# Altium PCB as14120_all_3.PcbDoc (part 2 of 2)
Units mm, origin at the board's own origin, x right, y up, seen from the top; angles counter-clockwise.
Board outline 130 x 100 mm, 6 copper layers (Top Layer, GND1, Signal_Power, Signal_midle, GND2, Bottom Layer), stack 0.963 mm thick; 376 components, 342 nets, 2187 pads, 668 vias.
Unrouted connection lines stored in the file: 1195.
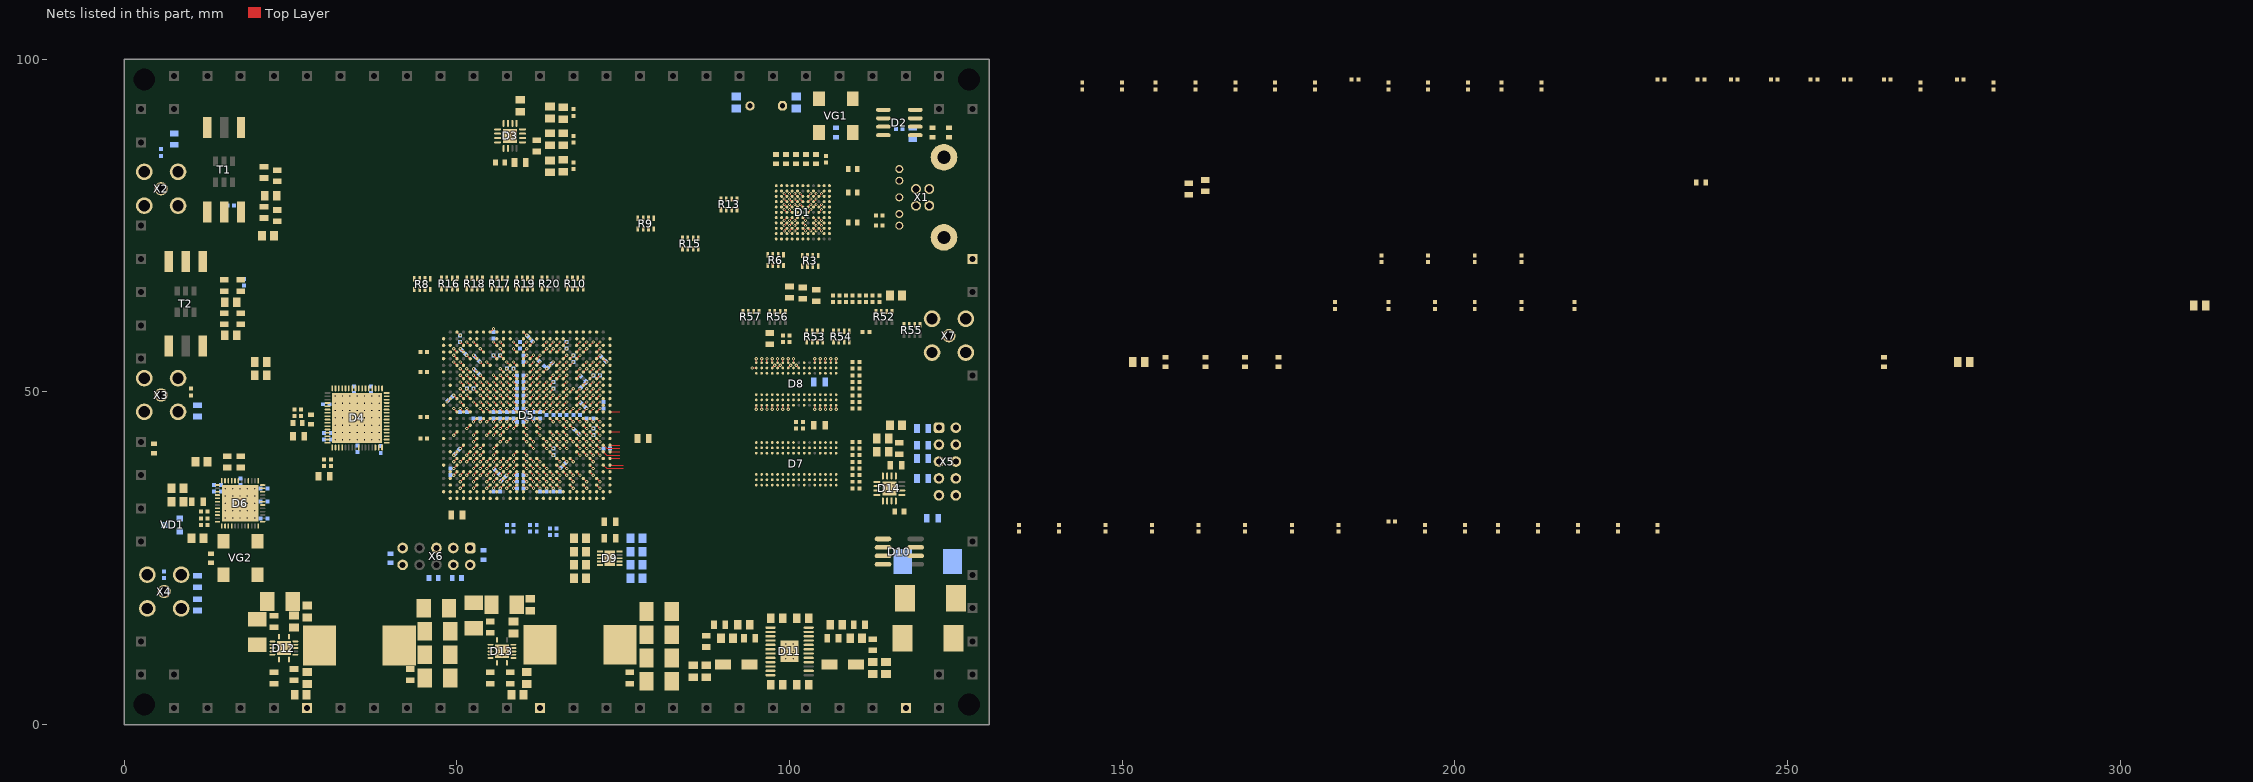
[diagram p4: the nets of this part, all layers, seen from the top]

## Part data
C1 C2 C3 C8 C9 C11 C13 C14 C15 C16 C17 C18 C19 C20 C21 C22 C23 C24 C25 C26 C27 C28 C29 C30 C31 C32 C33 C34 C35 C36 C37 C40 C41 C42 C43 C44 C45 C48 C49 C50 C51 C52 C53 C54 C55 C56 C57 C58 C59 C60 C61 C62 C63 C64 C67 C68 C69 C70 C71 C72 C73 C74 C75 C76 C77 C78 C79 C80 C81 C82 C83 C84 C85 C86 C87 C88 C89 C90 C91 C92 C93 C94 C95 C96 C97 C98 C99 C100 C101 C102 C103 C104 C105 C106 C107 C108 C109 C110 C111 C120 C121 C122 C123 C124 C125 C126 C127 C128 C129 C130 C131 C132 C133 C134 C135 C136 C137 C138 C139 C140 C141 C142 C143 C144 C145 C146 C147 C148 C149 C150 C151 C152 C153 C154 C155 C156 C157 C158 C159 C160 C161 C162 C163 C164 C165 C166 C167 C168 C169 C170 C171 C172 C173 C174 C175 C176 C177 C178 C179 C180 C181 C182 C183 C184 C185 C186 C187 C188 C189 C190 C191 C192 C193 C194 C195 C196 C233 C234: library part CAP_0402, "CAP 1uF 10V ±20% 0402 (1005 Metric) Thickness 0.6mm SMD"
D1: library part CYUSB3014-BZXC
D2: library part AT24C08BN-SP25-T, "8Kbit (1024 x 8), 2-wire Bus Automotive Serial EEPROM with Write Protect, 2.5V, 8-Pin SOIC, Tape & Reel"
D4: "Dual 14-Bit Analog-to-Digital Converter with Parallel Interface, 1.8 V, 125MSPS, -40 to +85 degC, CP-64-6, Pb-Free, Tray"
D5: "Cyclone V E Family FPGA, 1.07 to 1.13 V Supply, 336 I/O Pins, 7 PLLs, 672-Pin FBGA, Speed Grade 8, Commercial Grade, RoHS Compliant"
D6: "12-Output Clock Generator with Integrated 2.5 GHz VCO, 1800 MHz Max f-out, CP-48-8, Pb-Free, 260 Tray"
D7 D8: "4Gb DDR3-1600 SDRAM, 256Mb x 16, 1.25ns, 1.5V, 0 to 95 degC, 96-Ball FBGA, Pb-Free"
D9: "Single Output LDO, 3 A, 2.375 to 3.5 V Input, with DDR Termination, 10-pin SON (DRC), -40 to 85 degC, Green (RoHS & no Sb/Br)"
D11: "Dual 4 MHz, 3 A Synchronous Step-Down DC/DC Converter, 24-pin SOP (FE-24-EPV-AA), -40 to 125 degC, Pb-Free"
D12 D13: "Buck Step Down Regulator with 4.5 to 17 V Input and 0.8 to 15 V Output, -40 to 150 degC, 14-Pin VQFN (RGY), Green (RoHS & no Sb/Br)"
L1 L2 L3 L4 L5 L6 L7 L8 L9 L10 L12 L13: library part Ferrite_beat
L14 L16: "INDUCT"
R1 R12 R14 R28 R29 R31 R32 R33 R35 R36 R38 R39 R40 R41 R42 R44 R45 R47 R48 R49 R50 R51 R58 R59 R60 R61 R62 R63 R64 R65 R66 R67 R68 R69 R70 R71 R81 R82 R83 R84 R85 R86 R87 R88 R89 R90 R91 R92 R93 R94 R95 R96 R98: library part RES_0805, "1K 0.125W 1% 0805 (2012 Metric)  SMD"
R2 R4 R5 R7 R11 R21 R22 R23 R24 R25 R26 R27 R30 R34 R37 R43 R46 R72 R73 R74 R75 R76 R77 R78 R79 R80 R97: library part RES_0603, "1K 0.1W 5% 0603 (1608 Metric)  SMD"
T1 T2: library part TT1-6-KK81
VD1: "SOT23 Silicon Planar High-Speed Switching Series Diode Pair"

## Free pads (board coordinates)
  rect 0.3x0.5 hole 3.3 unplated: 0(3,3) 0(127,3) 0(127,97)
  rect 0x0 hole 3.3 unplated: 0(3,97)
  rect 1.5x1.5 hole 0.9: 3(2.5,7.5) 3(2.5,12.5) 3(2.5,27.5) 3(2.5,32.5) 3(2.5,37.5) 3(2.5,42.5) 3(2.5,55) 3(2.5,60) 3(2.5,65) 3(2.5,70) 3(2.5,75) 3(2.5,87.5) 3(2.5,92.5) 3(7.5,2.5) 3(7.5,7.5) 3(7.5,92.5) 3(7.5,97.5) 3(12.5,2.5) 3(12.5,97.5) 3(17.5,2.5) 3(17.5,97.5) 3(22.5,2.5) 3(22.5,97.5) 3(27.5,97.5) 3(27.5,2.5) 3(32.5,2.5) 3(32.5,97.5) 3(37.5,2.5) 3(37.5,97.5) 3(42.5,2.5) 3(42.5,97.5) 3(47.5,2.5) 3(47.5,97.5) 3(52.5,2.5) 3(52.5,97.5) 3(57.5,2.5) 3(57.5,97.5) 3(62.5,2.5) 3(62.5,97.5) 3(67.5,2.5) 3(67.5,97.5) 3(72.5,2.5) 3(72.5,97.5) 3(77.5,2.5) 3(77.5,97.5) 3(82.5,2.5) 3(82.5,97.5) 3(87.5,2.5) 3(87.5,97.5) 3(92.5,2.5) 3(92.5,97.5) 3(97.5,2.5) 3(97.5,97.5) 3(102.5,2.5) 3(102.5,97.5) 3(107.5,97.5) 3(107.5,2.5) 3(112.5,2.5) 3(112.5,97.5) 3(117.5,2.5) 3(117.5,97.5) 3(122.5,92.5) 3(122.5,2.5) 3(122.5,7.5) 3(122.5,97.5) 3(127.5,92.5) 3(127.5,7.5) 3(127.5,12.5) 3(127.5,17.5) 3(127.5,22.5) 3(127.5,27.5) 3(127.5,52.5) 3(127.5,65) 3(127.5,70)

## Via types
v1: diameter 0.5, hole 0.2, Top Layer to Bottom Layer, 619 vias
v2: diameter 0.45, hole 0.2, Top Layer to Bottom Layer, 49 vias

## Nets (pads, with @x,y where several pads share a name; then routed paths per layer and width w, separated by ;. In a path a pad name is that pad's centre, name@x,y a point inside that pad or via, vN(x,y) a via of type N, cw(c..) or ccw(c..) an arc to the next point about the centre after c; other vN are vias at no path point)
0V: C1.2 C4.1 C5.1 C6.1 C7.1 C8.1 C9.1 C10.1 C11.1 C12.1 C13.1 C14.1 C15.1 C16.1 C17.1 C18.1 C19.1 C20.1 C21.1 C22.1 C23.1 C24.1 C25.1 C26.1 C27.1 C28.1 C29.1 C30.1 C31.1 C32.1 C33.1 C34.1 C35.1 C36.1 C40.2 C55.2 C56.1 C57.1 C58.1 C59.1 C60.1 C61.1 C62.1 C63.1 C64.1 C65.1 C66.1 C68.1 C69.1 C70.1 C71.1 C72.2 C73.2 C74.1 C75.1 C76.1 C77.1 C78.1 C79.1 C80.1 C81.1 C82.1 C83.1 C84.1 C85.1 C86.1 C87.1 C88.1 C89.1 C90.2 C91.1 C92.1 C93.1 C94.1 C95.1 C96.1 C97.1 C98.1 C99.1 C100.1 C101.1 C102.1 C103.1 C104.1 C105.1 C106.1 C107.2 C108.2 C109.2 C110.1 C111.1 C112.1 C113.1 C114.1 C115.1 C116.1 C117.1 C118.1 C119.1 C120.1 C121.1 C122.1 C123.1 C124.1 C125.1 C126.1 C127.1 C128.1 C129.1 C130.1 C131.1 C132.1 C133.1 C134.1 C135.1 C136.1 C137.1 C138.1 C139.1 C140.1 C141.1 C142.1 C143.1 C144.1 C145.1 C146.1 C147.1 C148.1 C149.1 C150.1 C151.1 C152.1 C153.1 C154.1 C155.1 C156.1 C157.1 C158.1 C159.1 C160.1 C161.1 C162.1 C163.1 C164.1 C165.1 C166.1 C167.1 C168.1 C169.1 C170.1 C171.1 C172.1 C173.1 C174.1 C175.1 C176.1 C177.1 C178.1 C179.1 C180.1 C181.1 C182.1 C183.1 C184.1 C185.1 C186.1 C187.1 C188.1 C189.1 C190.1 C191.1 C192.1 C193.1 C194.1 C195.1 C196.1 C197.2 C198.2 C199.2 C200.2 C201.1 C202.1 C203.1 C204.1 C206.2 C207.2 C208.2 C209.2 C210.2 C211.1 C212.1 C213.1 C214.1 C215.1 C216.1 C217.1 C218.1 C219.1 C220.1 C221.2 C222.2 C223.2 C225.1 C226.1 C227.2 C228.2 C229.2 C230.2 C231.1 C232.1 C233.1 C234.1 D1.A1 D1.A8 D1.B7 D1.B8 D1.B9 D1.D8 D1.E2 D1.G1 D1.G11 D1.K3 D1.K4 D1.L1 D1.L2 D1.L3 D1.L6 D1.L11 D2.1 D2.2 D2.3 D2.4 D2.7 D3.6 D3.17 D5.A2 D5.A15 D5.A25 D5.AA1 D5.AA2 D5.AA5 D5.AA15 D5.AA25 D5.AB1 D5.AB2 D5.AB3 D5.AB4 D5.AB8 D5.AB18 D5.AC1 D5.AC2 D5.AC5 D5.AC7 D5.AC11 D5.AC13 D5.AC19 D5.AC21 D5.AC26 D5.AD1 D5.AD2 D5.AD3 D5.AD4 D5.AD14 D5.AD18 D5.AD20 D5.AD22 D5.AD24 D5.AD26 D5.AE1 D5.AE2 D5.AE5 D5.AE7 D5.AE17 D5.AE23 D5.AF2 D5.AF3 D5.AF4 D5.AF10 D5.AF20 D5.AF22 D5.AF24 D5.AF25 D5.B2 D5.B3 D5.B4 D5.B8 D5.B16 D5.B18 D5.C1 D5.C2 D5.C5 D5.C8 D5.C11 D5.C21 D5.D1 D5.D2 D5.D3 D5.D4 D5.D5 D5.D14 D5.D23 D5.D24 D5.E1 D5.E2 D5.E5 D5.E7 D5.E17 D5.F1 D5.F2 D5.F3 D5.F4 D5.F10 D5.F20 D5.F22 D5.G1 D5.G2 D5.G5 D5.G13 D5.G23 D5.H1 D5.H2 D5.H3 D5.H4 D5.H5 D5.H6 D5.H16 D5.H26 D5.J1 D5.J2 D5.J4 D5.J9 D5.J14 D5.J18 D5.K3 D5.K5 D5.K12 D5.K13 D5.K15 D5.K17 D5.K19 D5.K22 D5.L1 D5.L2 D5.L4 D5.L5 D5.L6 D5.L10 D5.L14 D5.L16 D5.L18 D5.L20 D5.L25 D5.L26 D5.M1 D5.M2 D5.M3 D5.M5 D5.M6 D5.M8 D5.M13 D5.M15 D5.M17 D5.M19 D5.N1 D5.N2 D5.N4 D5.N6 D5.N7 D5.N11 D5.N14 D5.N16 D5.N18 D5.N21 D5.P3 D5.P5 D5.P6 D5.P7 D5.P9 D5.P13 D5.P15 D5.P17 D5.P19 D5.P24 D5.P25 D5.R1 D5.R2 D5.R4 D5.R7 D5.R12 D5.R14 D5.R16 D5.R18 D5.T1 D5.T2 D5.T3 D5.T5 D5.T10 D5.T15 D5.T17 D5.T20 D5.U1 D5.U2 D5.U4 D5.U9 D5.U13 D5.U15 D5.U16 D5.U17 D5.U23 D5.V1 D5.V2 D5.V3 D5.V4 D5.V5 D5.V6 D5.V9 D5.V16 D5.V19 D5.V26 D5.W1 D5.W2 D5.W5 D5.W6 D5.W9 D5.W18 D5.W19 D5.W23 D5.Y1 D5.Y2 D5.Y3 D5.Y4 D5.Y12 D5.Y22 D6.49 D7.A9 D7.B1 D7.B3 D7.B9 D7.D1 D7.D8 D7.E1 D7.E2 D7.E8 D7.F9 D7.G1 D7.G8 D7.G9 D7.J2 D7.J8 D7.M1 D7.M9 D7.P1 D7.P9 D7.T1 D7.T9 D8.A9 D8.B1 D8.B3 D8.B9 D8.D1 D8.D8 D8.E1 D8.E2 D8.E8 D8.F9 D8.G1 D8.G8 D8.G9 D8.J2 D8.J8 D8.M1 D8.M9 D8.P1 D8.P9 D8.T1 D8.T9 D9.4 D9.8 D9.11 D11.1 D11.5 D11.14 D11.24 D11.25 D12.2 D12.3 D12.15 D13.2 D13.3 D13.15 D14.6 D14.17 pad.3@27.5,2.5 pad.3@62.5,2.5 pad.3@117.5,2.5 pad.3@127.5,70 R2.1 R4.2 R5.1 R12.2 R14.2 R25.2 R26.2 R29.1 R47.2 R48.2 R51.1 R58.2 R59.2 R62.1 R64.1 R69.1 R70.2 R71.2 R80.1 R83.2 R85.1 R86.2 R90.1 R93.1 R94.2 R95.1 VD1.3 VG1.2 VG2.2 X1.4 X1.7 X1.10 X4.2 X5.2 X5.4 X5.6 X5.8 X5.9 X5.10 X6.2 X6.10 X7.2 | length 102.4
  Top Layer w0.15: v1(48.5,48.5) D5.B16@49,49 ; v1(49.5,37.5) D5.C5@50,38 ; v1(49.5,40.5) D5.C8@50,41 ; v1(49.5,43.5) D5.C11@50,44 ; v1(49.5,54.5) D5.C21@50,54 ; v1(50.5,35.5) D5.D3@51,36 ; v1(50.5,36.5) D5.D4@51,37 ; v1(50.5,37.5) D5.D5@51,38 ; v1(50.5,47.5) D5.D14@51,47 ; v1(50.5,56.5) D5.D23@51,56 ; v1(50.5,57.5) D5.D24@51,57 ; v1(51.5,37.5) D5.E5@52,38 ; v1(51.5,39.5) D5.E7@52,40 ; v1(51.5,50.5) D5.E17@52,50 ; v1(52.5,35.5) D5.F3@53,36 ; v1(52.5,36.5) D5.F4@53,37 ; v1(52.5,42.5) D5.F10@53,43 ; v1(52.5,53.5) D5.F20@53,53 ; v1(52.5,55.5) D5.F22@53,55 ; v1(53.5,37.5) D5.G5@54,38 ; v1(53.5,45.5) D5.G13@54,46 ; v1(53.5,56.5) D5.G23@54,56 ; v1(54.5,35.5) D5.H3@55,36 ; v1(54.5,36.5) D5.H4@55,37 ; v1(54.5,37.5) D5.H5@55,38 ; v1(54.5,38.5) D5.H6@55,39 ; v1(54.5,49.5) D5.H16@55,49 ; D5.H26@55,59 v1(55.5,59.5) ; v1(55.5,36.5) D5.J4@56,37 ; v1(55.5,41.5) D5.J9@56,42 ; v1(55.5,47.5) D5.J14@56,47 ; v1(55.5,51.5) D5.J18@56,51 ; v1(56.5,35.5) D5.K3@57,36 ; v1(56.5,37.5) D5.K5@57,38 ; v1(56.5,44.5) D5.K12@57,45 ; v1(56.5,45.5) D5.K13@57,46 ; v1(56.5,48.5) D5.K15@57,48 ; v1(56.5,50.5) D5.K17@57,50 ; v1(56.5,52.5) D5.K19@57,52 ; v1(56.5,55.5) D5.K22@57,55 ; v1(57.5,36.5) D5.L4@58,37 ; v1(57.5,37.5) D5.L5@58,38 ; v1(57.5,38.5) D5.L6@58,39 ; v1(57.5,42.5) D5.L10@58,43 ; v1(57.5,47.5) D5.L14@58,47 ; v1(57.5,49.5) D5.L16@58,49 ; v1(57.5,51.5) D5.L18@58,51 ; v1(57.5,53.5) D5.L20@58,53 ; v1(58.5,35.5) D5.M3@59,36 ; v1(58.5,37.5) D5.M5@59,38 ; v1(58.5,38.5) D5.M6@59,39 ; v1(58.5,40.5) D5.M8@59,41 ; v1(58.5,45.5) D5.M13@59,46 ; v1(58.5,48.5) D5.M15@59,48 ; v1(58.5,50.5) D5.M17@59,50 ; v1(58.5,52.5) D5.M19@59,52 ; D5.N4@60,37 v1(60.5,36.5) ; D5.N6@60,39 v1(60.5,38.5) ; D5.N7@60,40 v1(60.5,39.5) ; D5.N11@60,44 v1(60.5,43.5) ; D5.N14@60,47 v1(60.5,47.5) ; D5.N16@60,49 v1(60.5,49.5) ; D5.N18@60,51 v1(60.5,51.5) ; D5.N21@60,54 v1(60.5,54.5) ; D5.P3@61,36 v1(61.5,35.5) ; D5.P5@61,38 v1(61.5,37.5) ; D5.P6@61,39 v1(61.5,38.5) ; D5.P7@61,40 v1(61.5,39.5) ; D5.P9@61,42 v1(61.5,41.5) ; D5.P13@61,46 v1(61.5,45.5) ; D5.P15@61,48 v1(61.5,48.5) ; D5.P17@61,50 v1(61.5,50.5) ; D5.P19@61,52 v1(61.5,52.5) ; D5.P24@61,57 v1(61.5,57.5) ; D5.R4@62,37 v1(62.5,36.5) ; D5.R7@62,40 v1(62.5,39.5) ; D5.R12@62,45 v1(62.5,44.5) ; D5.R14@62,47 v1(62.5,47.5) ; D5.R16@62,49 v1(62.5,49.5) ; D5.R18@62,51 v1(62.5,51.5) ; D5.T3@63,36 v1(63.5,35.5) ; D5.T5@63,38 v1(63.5,37.5) ; D5.T10@63,43 v1(63.5,42.5) ; D5.T15@63,48 v1(63.5,48.5) ; D5.T17@63,50 v1(63.5,50.5) ; D5.T20@63,53 v1(63.5,53.5) ; D5.U4@64,37 v1(64.5,36.5) ; D5.U9@64,42 v1(64.5,41.5) ; D5.U13@64,46 v1(64.5,45.5) ; D5.U15@64,48 v1(64.5,48.5) ; D5.U16@64,49 v1(64.5,49.5) ; D5.U17@64,50 v1(64.5,50.5) ; D5.U23@64,56 v1(64.5,56.5) ; D5.V3@65,36 v1(65.5,35.5) ; D5.V4@65,37 v1(65.5,36.5) ; D5.V5@65,38 v1(65.5,37.5) ; D5.V6@65,39 v1(65.5,38.5) ; D5.V9@65,42 v1(65.5,41.5) ; D5.V16@65,49 v1(65.5,49.5) ; D5.V19@65,52 v1(65.5,52.5) ; D5.W5@66,38 v1(66.5,37.5) ; D5.W6@66,39 v1(66.5,38.5) ; D5.W9@66,42 v1(66.5,41.5) ; D5.W18@66,51 v1(66.5,51.5) ; D5.W19@66,52 v1(66.5,52.5) ; D5.W23@66,56 v1(66.5,56.5) ; D5.Y3@67,36 v1(67.5,35.5) ; D5.Y4@67,37 v1(67.5,36.5) ; D5.Y12@67,45 v1(67.5,44.5) ; D5.Y22@67,55 v1(67.5,55.5) ; D5.AA5@68,38 v1(68.5,37.5) ; D5.AA15@68,48 v1(68.5,48.5) ; D5.AB3@69,36 v1(69.5,35.5) ; D5.AB4@69,37 v1(69.5,36.5) ; D5.AB8@69,41 v1(69.5,40.5) ; D5.AB18@69,51 v1(69.5,51.5) ; D5.AC5@70,38 v1(70.5,37.5) ; D5.AC7@70,40 v1(70.5,39.5) ; D5.AC11@70,44 v1(70.5,43.5) ; D5.AC13@70,46 v1(70.5,45.5) ; D5.AC19@70,52 v1(70.5,52.5) ; D5.AC21@70,54 v1(70.5,54.5) ; D5.AD3@71,36 v1(71.5,35.5) ; D5.AD4@71,37 v1(71.5,36.5) ; D5.AD14@71,47 v1(71.5,47.5) ; D5.AD18@71,51 v1(71.5,51.5) ; D5.AD20@71,53 v1(71.5,53.5) ; D5.AD22@71,55 v1(71.5,55.5) ; D5.AD24@71,57 v1(71.5,57.5) ; D8.A9@95,54.4 v1(95,55) ; v1(95.8,47.4) D8.B1@95.8,48 ; D8.B9@95.8,54.4 v1(95.8,55) ; v1(97.4,47.4) D8.D1@97.4,48 ; D8.D8@97.4,53.6 v1(97.8,54) ; v1(98.2,47.4) D8.E1@98.2,48 ; D8.E8@98.2,53.6 v1(98.6,54) ; D8.F9@99,54.4 v1(99,55) ; v1(99.8,47.4) D8.G1@99.8,48 ; D8.G8@99.8,53.6 v1(100.2,54) ; D8.G9@99.8,54.4 v1(99.8,55) ; v1(101,54) D8.J8@101.4,53.6 ; D1.D8@103.607,75.4 v2@104.007,75 ; v1(103.8,47.4) D8.M1@103.8,48 ; D8.M9@103.8,54.4 v1(103.8,55) ; v1(105.4,47.4) D8.P1@105.4,48 ; D8.P9@105.4,54.4 v1(105.4,55) ; v1(107,47.4) D8.T1@107,48 ; D8.T9@107,54.4 v1(107,55)
  other v1: 99.45,9.9 100.55,9.9 56.775,10.35 24,10.85 56.125,11 57.425,11 99.45,11 100.55,11 23.35,11.5 24.65,11.5 56.775,11.65 99.45,12.1 100.55,12.1 24,12.15 72.475,24.5 73.475,24.5 72.475,25.5 73.475,25.5 15.2,31.05 16.3,31.05 17.4,31.05 18.5,31.05 19.6,31.05 15.2,32.15 16.3,32.15 17.4,32.15 18.5,32.15 19.6,32.15 15.2,33.25 16.3,33.25 17.4,33.25 18.5,33.25 19.6,33.25 15.2,34.35 16.3,34.35 17.4,34.35 18.5,34.35 19.6,34.35 114.45,34.95 115.55,34.95 15.2,35.45 16.3,35.45 17.4,35.45 18.5,35.45 19.6,35.45 114.45,36.05 115.55,36.05 57.45,87.95 58.55,87.95 57.45,89.05 58.55,89.05
  other v2: 104,75
0VA: C41.2 C42.2 R33.1 R34.1 R39.2 R42.1 R43.1 T1.6 T2.6 X2.2 X3.2
12V: C197.1 C198.1 C199.1 C200.1 C206.1 C221.1 C222.1 C223.1 D12.4 D12.5 D12.6 D13.4 D13.5 D13.6 VD2.1
A_485: R66.2 X5.1
AD97_CS: D5.J7 D6.14 | length 0.7
  Top Layer w0.15: v1(55.5,39.5) D5.J7@56,40
AD9517_EXT_CLK: C67.2 D6.47 R50.1 R51.2 VD1.1
AD9517_FPGA_CLK: D5.F6 D6.48 VG2.3 | length 0.7
  Top Layer w0.15: v1(52.5,38.5) D5.F6@53,39
AD9517_REF_SEL: D5.C7 D6.6 | length 0.7
  Top Layer w0.15: v1(49.5,39.5) D5.C7@50,40
AD9517_REFMON: D5.D7 D6.1 | length 0.7
  Top Layer w0.15: v1(50.5,39.5) D5.D7@51,40
AD9517_SCLK: D5.H7 D6.13 | length 0.7
  Top Layer w0.15: v1(54.5,39.5) D5.H7@55,40
AD9517_SDIO: D5.L7 D6.16 | length 0.7
  Top Layer w0.15: v1(57.5,39.5) D5.L7@58,40
AD9517_SDO: D5.K6 D6.15 | length 0.7
  Top Layer w0.15: v1(56.5,38.5) D5.K6@57,39
AD9517_STATUS: D5.G6 D6.5 | length 0.7
  Top Layer w0.15: v1(53.5,38.5) D5.G6@54,39
ADC_CLK_N: C44.1 D6.34 R38.1
ADC_CLK_P: C43.1 D6.35 R38.2
ADC_CML: C40.1 C55.1 D4.41 T1.2 T2.2
ADC_CSB: D4.51 D5.A23
ADC_D0_N: D4.62 D5.J16 | length 0.7
  Top Layer w0.15: v1(55.5,49.5) D5.J16@56,49
ADC_D0_P: D4.63 D5.H15 | length 0.7
  Top Layer w0.15: v1(54.5,48.5) D5.H15@55,48
ADC_D1_N: D4.2 D5.A24
ADC_D1_P: D4.3 D5.B24
ADC_D2_N: D4.4 D5.H17 | length 0.7
  Top Layer w0.15: v1(54.5,50.5) D5.H17@55,50
ADC_D2_P: D4.5 D5.H18 | length 0.7
  Top Layer w0.15: v1(54.5,51.5) D5.H18@55,51
ADC_D3_N: D4.6 D5.D20 | length 0.7
  Top Layer w0.15: v1(50.5,53.5) D5.D20@51,53
ADC_D3_P: D4.7 D5.D21 | length 0.7
  Top Layer w0.15: v1(50.5,54.5) D5.D21@51,54
ADC_D4_N: D4.8 D5.G17 | length 0.7
  Top Layer w0.15: v1(53.5,50.5) D5.G17@54,50
ADC_D4_P: D4.9 D5.G16 | length 0.7
  Top Layer w0.15: v1(53.5,49.5) D5.G16@54,49
ADC_D5_N: D4.12 D5.E19 | length 0.7
  Top Layer w0.15: v1(51.5,52.5) D5.E19@52,52
ADC_D5_P: D4.13 D5.E20 | length 0.7
  Top Layer w0.15: v1(51.5,53.5) D5.E20@52,53
ADC_D6_N: D4.14 D5.J11 | length 0.7
  Top Layer w0.15: v1(55.5,43.5) D5.J11@56,44
ADC_D6_P: D4.15 D5.J12 | length 0.7
  Top Layer w0.15: v1(55.5,44.5) D5.J12@56,45
ADC_D7_N: D4.16 D5.D17 | length 0.7
  Top Layer w0.15: v1(50.5,50.5) D5.D17@51,50
ADC_D7_P: D4.17 D5.D18 | length 0.7
  Top Layer w0.15: v1(50.5,51.5) D5.D18@51,51
ADC_D8_N: D4.18 D5.H13 | length 0.7
  Top Layer w0.15: v1(54.5,45.5) D5.H13@55,46
ADC_D8_P: D4.19 D5.H14 | length 0.7
  Top Layer w0.15: v1(54.5,47.5) D5.H14@55,47
ADC_D9_N: D4.22 D5.F18 | length 0.7
  Top Layer w0.15: v1(52.5,51.5) D5.F18@53,51
ADC_D9_P: D4.23 D5.E18 | length 0.7
  Top Layer w0.15: v1(51.5,51.5) D5.E18@52,51
ADC_D10_N: D4.25 D5.K11 | length 0.7
  Top Layer w0.15: v1(56.5,43.5) D5.K11@57,44
ADC_D10_P: D4.26 D5.L12 | length 0.7
  Top Layer w0.15: v1(57.5,44.5) D5.L12@58,45
ADC_D11_N: D4.27 D5.D15 | length 0.7
  Top Layer w0.15: v1(50.5,48.5) D5.D15@51,48
ADC_D11_P: D4.28 D5.C14 | length 0.7
  Top Layer w0.15: v1(49.5,47.5) D5.C14@50,47
ADC_D12_N: D4.29 D5.M12 | length 0.7
  Top Layer w0.15: v1(58.5,44.5) D5.M12@59,45
ADC_D12_P: D4.30 D5.N12 | length 0.7
  Top Layer w0.15: D5.N12@60,45 v1(60.5,44.5)
ADC_D13_N: D4.31 D5.D16 | length 0.7
  Top Layer w0.15: v1(50.5,49.5) D5.D16@51,49
ADC_D13_P: D4.32 D5.E16 | length 0.7
  Top Layer w0.15: v1(51.5,49.5) D5.E16@52,49
ADC_DCO_N: D4.10 D5.G14 | length 0.7
  Top Layer w0.15: v1(53.5,47.5) D5.G14@54,47
ADC_DCO_P: D4.11 D5.G15 | length 0.7
  Top Layer w0.15: v1(53.5,48.5) D5.G15@54,48
ADC_SCLK: D4.48 D5.C23 | length 0.7
  Top Layer w0.15: v1(49.5,56.5) D5.C23@50,56
ADC_SDIO: D4.47 D5.C22 | length 0.7
  Top Layer w0.15: v1(49.5,55.5) D5.C22@50,55
ADC_SYNC: D4.52 D5.A22
AVDD: C12.2 C23.2 D1.A7 L3.2
B_485: R68.2 X5.3
CY_CTRL0: D5.U24 R16.2 | length 0.7
  Top Layer w0.15: D5.U24@64,57 v1(64.5,57.5)
CY_CTRL1: D5.V25 R16.3
CY_CTRL2: D5.R20 R16.4 | length 0.7
  Top Layer w0.15: D5.R20@62,53 v1(62.5,53.5)
CY_CTRL3: D5.P20 R17.1 | length 0.7
  Top Layer w0.15: D5.P20@61,53 v1(61.5,53.5)
CY_CTRL4: D5.AB26 R17.3
CY_CTRL5: D5.AA26 R18.1
CY_CTRL6: D5.T26 R18.3
CY_CTRL7: D5.V23 R19.1 | length 0.7
  Top Layer w0.15: D5.V23@65,56 v1(65.5,56.5)
CY_CTRL8: D5.V24 R19.2 | length 0.7
  Top Layer w0.15: D5.V24@65,57 v1(65.5,57.5)
CY_CTRL9: D5.T23 R19.3 | length 0.7
  Top Layer w0.15: D5.T23@63,56 v1(63.5,56.5)
CY_CTRL10: D5.T24 R19.4 | length 0.7
  Top Layer w0.15: D5.T24@63,57 v1(63.5,57.5)
CY_CTRL11: D5.AA24 R20.1 | length 0.7
  Top Layer w0.15: D5.AA24@68,57 v1(68.5,57.5)
CY_CTRL12: D5.AB25 R20.2
CY_DQ0: D5.U19 R3.1 | length 0.7
  Top Layer w0.15: D5.U19@64,52 v1(64.5,52.5)
CY_DQ1: D5.V20 R3.3 | length 0.7
  Top Layer w0.15: D5.V20@65,53 v1(65.5,53.5)
CY_DQ2: D5.AA22 R6.1 | length 0.7
  Top Layer w0.15: D5.AA22@68,55 v1(68.5,55.5)
CY_DQ3: D5.AA23 R6.3 | length 0.7
  Top Layer w0.15: D5.AA23@68,56 v1(68.5,56.5)
CY_DQ4: D5.W20 R8.1 | length 0.7
  Top Layer w0.15: D5.W20@66,53 v1(66.5,53.5)
CY_DQ5: D5.W21 R8.3 | length 0.7
  Top Layer w0.15: D5.W21@66,54 v1(66.5,54.5)
CY_DQ6: D5.AC24 R9.1 | length 0.7
  Top Layer w0.15: D5.AC24@70,57 v1(70.5,57.5)
CY_DQ7: D5.AB24 R9.3 | length 0.7
  Top Layer w0.15: D5.AB24@69,57 v1(69.5,57.5)
CY_DQ8: D5.Y26 R10.1
CY_DQ9: D5.P21 R10.3 | length 0.7
  Top Layer w0.15: D5.P21@61,54 v1(61.5,54.5)
CY_DQ10: D5.P22 R13.1 | length 0.7
  Top Layer w0.15: D5.P22@61,55 v1(61.5,55.5)
CY_DQ11: D5.W25 R13.3
CY_DQ12: D5.W26 R15.4
CY_DQ13: D5.N25 R15.2
CY_DQ14: D5.P26 R15.3
CY_DQ15: D5.U25 R15.1
CY_DQ16: D5.M21 R3.2 | length 0.7
  Top Layer w0.15: v1(58.5,54.5) D5.M21@59,54
CY_DQ17: D5.J25 R3.4
CY_DQ18: D5.J26 R6.2
CY_DQ19: D5.N24 R6.4 | length 0.7
  Top Layer w0.15: D5.N24@60,57 v1(60.5,57.5)
CY_DQ20: D5.M24 R8.2 | length 0.7
  Top Layer w0.15: v1(58.5,57.5) D5.M24@59,57
CY_DQ21: D5.F26 R8.4
CY_DQ22: D5.G26 R9.2
CY_DQ23: D5.N23 R9.4 | length 0.7
  Top Layer w0.15: D5.N23@60,56 v1(60.5,56.5)
CY_DQ24: D5.E26 R10.2
CY_DQ25: D5.K25 R10.4
CY_DQ26: D5.K26 R13.2
CY_DQ27: D5.E24 R13.4 | length 0.7
  Top Layer w0.15: v1(51.5,57.5) D5.E24@52,57
CY_DQ28: D5.E25 R17.2
CY_DQ29: D5.K24 R17.4 | length 0.7
  Top Layer w0.15: v1(56.5,57.5) D5.K24@57,57
CY_DQ30: D5.K23 R18.2 | length 0.7
  Top Layer w0.15: v1(56.5,56.5) D5.K23@57,56
CY_DQ31: D5.F24 R18.4 | length 0.7
  Top Layer w0.15: v1(52.5,57.5) D5.F24@53,57
CY_G: D1.D7 VG1.3 | length 0.6
  Top Layer w0.15: D1.D7@103.607,76.2 v2@104.007,75.8
  other v2: 104,75.8
CY_PCLK: D5.R25 R16.1
CY_SCL: D1.D9 D2.6 R21.1 | length 0.6
  Top Layer w0.15: D1.D9@103.6,74.6 v2@104,74.2
  other v2: 104,74.207
CY_SDA: D1.D10 D2.5 R22.1
DDR_A0: D5.AE6 D7.N3 D8.N3 | length 3.2
  Top Layer w0.15: D5.AE6@72,39 72.5,38.5 75,38.5
DDR_A1: D5.AF6 D7.P7 D8.P7 R53.7 | length 2
  Top Layer w0.15: D5.AF6@73,39 75,39
DDR_A2: D5.AF7 D7.P3 D8.P3 | length 1.5
  Top Layer w0.15: D5.AF7@73,40 74.5,40
DDR_A3: D5.AF8 D7.N2 D8.N2 | length 1.5
  Top Layer w0.15: D5.AF8@73,41 74.5,41
DDR_A4: D5.U10 D7.P8 D8.P8 R53.8 | length 0.7
  Top Layer w0.15: D5.U10@64,43 v1(64.5,42.5)
DDR_A5: D5.U11 D7.P2 D8.P2 | length 0.7
  Top Layer w0.15: D5.U11@64,44 v1(64.5,43.5)
DDR_A6: D5.AE9 D7.R8 D8.R8 R54.5 | length 2.7
  Top Layer w0.15: D5.AE9@72,42 72.5,41.5 74.5,41.5
DDR_A7: D5.AF9 D7.R2 D8.R2 | length 1.5
  Top Layer w0.15: D5.AF9@73,42 74.5,42
DDR_A8: D5.AB12 D7.T8 D8.T8 R54.8 | length 0.7
  Top Layer w0.15: D5.AB12@69,45 v1(69.5,44.5)
DDR_A9: D5.AB11 D7.R3 D8.R3 | length 0.7
  Top Layer w0.15: D5.AB11@69,44 v1(69.5,43.5)
DDR_A10: D5.AC9 D7.L7 D8.L7 | length 0.7
  Top Layer w0.15: D5.AC9@70,42 v1(70.5,41.5)
DDR_A11: D5.AC8 D7.R7 D8.R7 R54.6 | length 0.7
  Top Layer w0.15: D5.AC8@70,41 v1(70.5,40.5)
DDR_A12: D5.AB10 D7.N7 D8.N7 R53.5 | length 0.7
  Top Layer w0.15: D5.AB10@69,43 v1(69.5,42.5)
DDR_A13: D5.AC10 D7.T3 D8.T3 | length 0.7
  Top Layer w0.15: D5.AC10@70,43 v1(70.5,42.5)
DDR_A14: D5.W11 D7.T7 D8.T7 R54.7 | length 0.7
  Top Layer w0.15: D5.W11@66,44 v1(66.5,43.5)
DDR_BA0: D5.V10 D7.M2 | length 0.7
  Top Layer w0.15: D5.V10@65,43 v1(65.5,42.5)
DDR_BA1: D5.AD8 D7.N8 D8.M2 | length 0.7
  Top Layer w0.15: D5.AD8@71,41 v1(71.5,40.5)
DDR_BA2: D5.AE8 D7.M3 D8.N8 R53.6 | length 2.7
  Top Layer w0.15: D5.AE8@72,41 72.5,40.5 74.5,40.5
DDR_BA3: D8.M3
DDR_CAS: D5.W10 D7.K3 D8.K3 | length 0.7
  Top Layer w0.15: D5.W10@66,43 v1(66.5,42.5)
DDR_CK_N: D5.P10 D7.K7 D8.K7 R60.1 | length 0.7